# Altium PCB iMX6 Rex Development Baseboard V1I1_PCB.PcbDoc (part 5 of 6)
Units mm, origin at the board's own origin, x right, y up, seen from the top; angles counter-clockwise.
Board outline 135 x 110 mm, 6 copper layers (L1, L2, L3, L4 (PWR), L5, L6), stack 1.542 mm thick; 580 components, 458 nets, 2100 pads, 1201 vias.
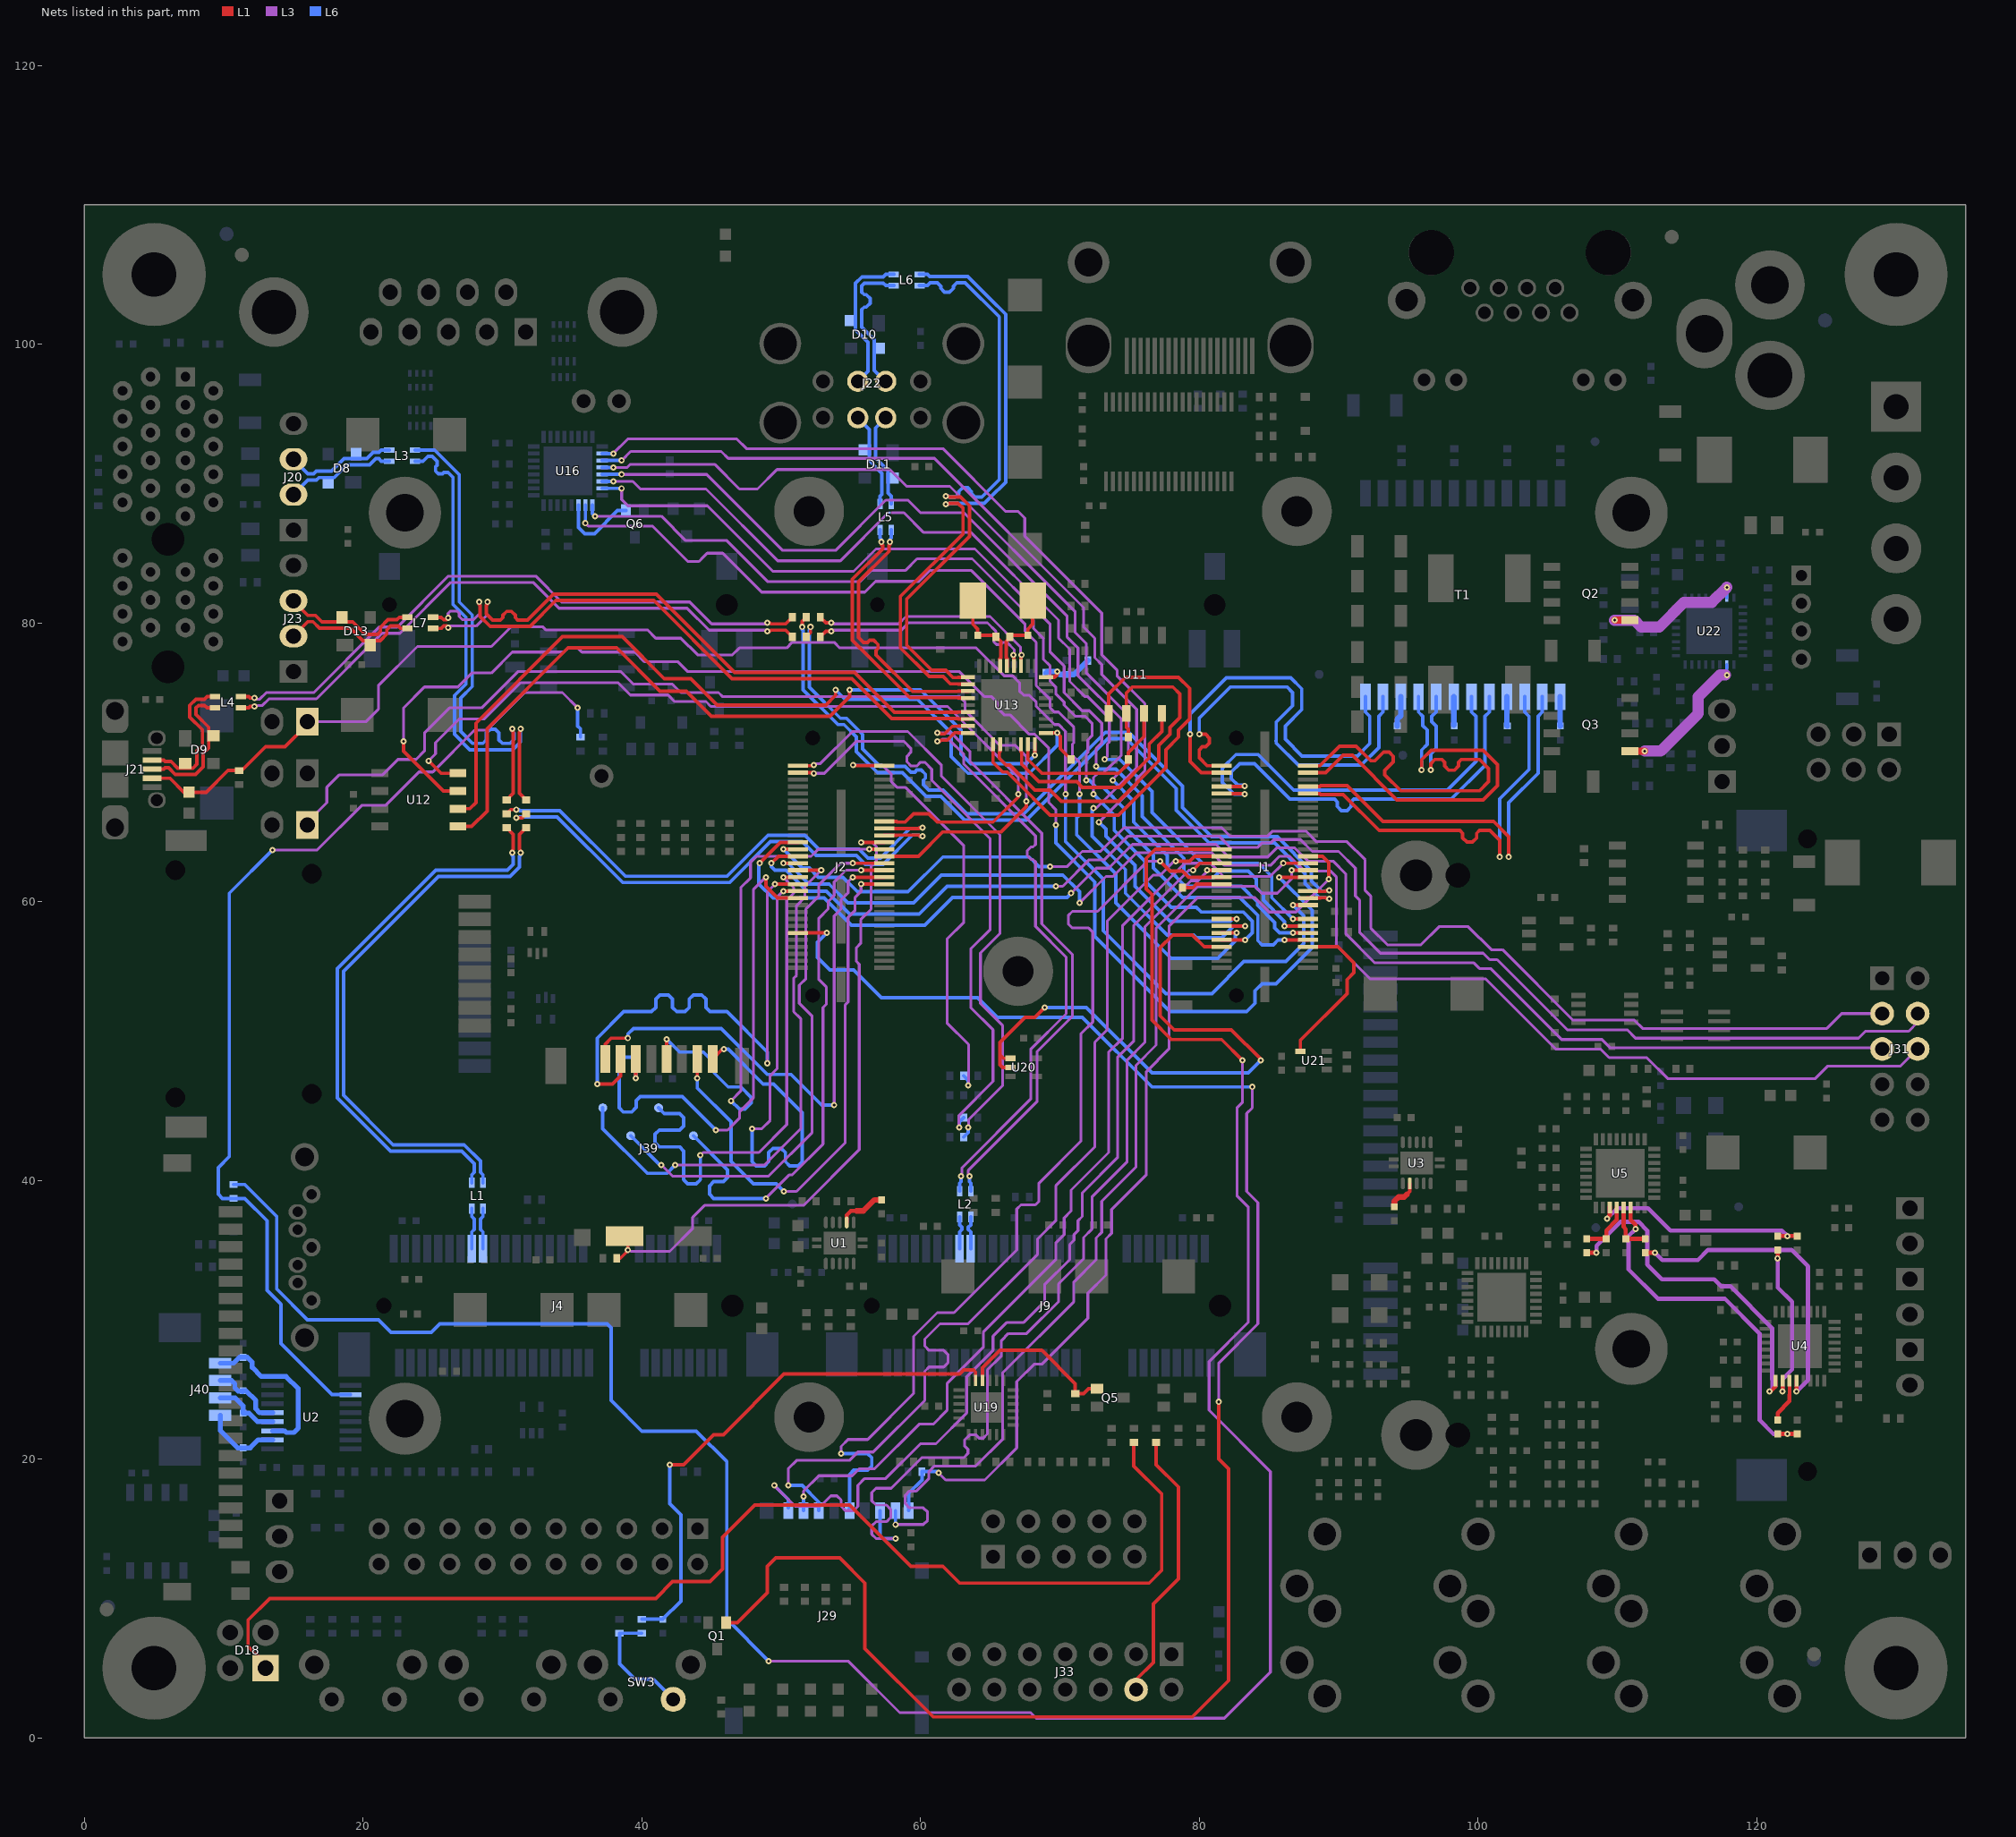
[diagram p9: the nets of this part, all layers, seen from the top]

## Via types
v1: diameter 0.45, hole 0.2, L1 to L6, tented both sides, 1092 vias
v2: diameter 1, hole 0.5, L1 to L6, tented both sides, 109 vias

## Nets (pads, with @x,y where several pads share a name; then routed paths per layer and width w, separated by ;. In a path a pad name is that pad's centre, name@x,y a point inside that pad or via, vN(x,y) a via of type N, cw(c..) or ccw(c..) an arc to the next point about the centre after c; other vN are vias at no path point) (continued)
SATA_RX_P: J2.60 R38.1 R39.1 | length 32.1
  L1 w0.25: v1(55.15,69.8) 55.2,69.75 J2.60@57.39,69.75
  L3 w0.2: v1(55.15,69.8) 57.24,69.8 57.9,69.14 57.9,68.6 58.3,68.2 58.9,68.2 63.1,64 63.1,58.51 61.9,57.31 61.9,51.29 63.45,49.74 63.45,46.825 v1(63.425,46.8)
  L6 w0.25: R38.1@63.1,47.5 63.425,47.175 v1(63.425,46.8)
SATA_TX_N: J2.57 R40.1 R41.1 | length 43.1
  L1 w0.25: J2.57@51.21,69.25 52.3,69.25 v1(52.35,69.2)
  L3 w0.2: v1(52.35,69.2) 53.1,69.2 55.403,71.503 58.797,71.503 59.3,71 59.3,70.7 59.025,70.425 59.025,70.025 59.325,69.725 59.725,69.725 60,70 60.3,70 60.8,69.5 60.8,68.7 65,64.5 65,58 63.6,56.6 63.6,52.4 65.2,50.8 65.2,47.1 62.75,44.65 62.75,43.825 v1(62.775,43.8)
  L6 w0.25: v1(62.775,43.8) 62.775,44.175 R40.1@63.1,44.5
SATA_TX_P: J2.59 R42.1 R43.1 | length 43.1
  L1 w0.25: J2.59@51.21,69.75 52.3,69.75 v1(52.35,69.8)
  L3 w0.2: v1(52.35,69.8) 52.45,69.9 52.81,69.9 55.113,72.203 59.087,72.203 61.5,69.79 61.5,68.99 65.7,64.79 65.7,57.71 64.3,56.31 64.3,52.69 65.9,51.09 65.9,46.81 63.45,44.36 63.45,43.825 v1(63.425,43.8)
  L6 w0.25: R42.1@63.1,43.1 63.425,43.425 v1(63.425,43.8)
SD2_ACT: J2.11 Q1.1 | length 131.3
  L1 w0.25: Q1.1@46.05,8.25 46.85,8.25 49,10.4 49,12.3 49.6,12.9 54.2,12.9 56,11.1 56,6.4 60.9,1.5 79.5,1.5 82.1,4.1 82.1,19.3 81.4,20 v1(81.4,24.1) ; J2.11@51.21,57.75 v1(53.27,57.75)
  L3 w0.2: v1(81.4,24.1) 81.4,26.9 84.2,29.7 84.2,38.4 83.4,39.2 83.4,44.8 83.8,45.2 v1(83.8,46.7)
  L6 w0.25: v1(53.27,57.75) 52.62,57.1 52.6,57.1 52.6,56 53.5,55.1 55.2,55.1 57.2,53.1 64.1,53.1 65.5,51.7 71.6,51.7 76.6,46.7 v1(83.8,46.7)
SD2_CD: J2.38 J39.9 R104.2 | length 47.3
  L1 w0.25: R104.2@38.2,34.4 38.458,34.4 38.94,34.882 v1@38.975,34.882 ; J39.9@38.775,36 38.975,35.8 39,35.775 v1(39,35) ; v1(55.73,64.25) J2.38@57.39,64.25
  L3 w0.2: v1@39.2,34.9 42,34.9 43.65,36.55 43.65,37.35 44.5,38.2 51.6,38.2 55.6,42.2 55.6,55.5 55.4,55.7 55.4,56.7 55.7,57 55.7,58.7 56.45,59.45 56.45,62.52 56.83,62.9 56.83,63.15 56.83,63.957 56.537,64.25 v1(55.73,64.25)
SD2_CLK: J2.36 J39.5 | length 39.6
  L1 w0.25: J39.5@41.775,48.7 v1(41.775,50.125) ; v1(56.33,63.75) J2.36@57.39,63.75
  L3 w0.2: v1(46.4,45.7) 47.1,46.4 47.1,61 47.8,61.7 47.8,62.807 48.243,63.25 52.15,63.25 52.65,63.75 v1(56.33,63.75)
  L6 w0.25: v1(41.775,50.125) 42.7,49.2 44.4,49.2 45.2,48.4 45.2,47.693 46.193,46.7 47.1,46.7 47.85,45.95 47.85,45.55 47.4,45.1 47,45.1 v1(46.4,45.7)
SD2_CMD: J2.21 J39.3 | length 39.6
  L1 w0.25: v1(39.575,47.325) J39.3@39.575,48.7 ; v1(48.9,61.75) 48.9,61.1 49.75,60.25 J2.21@51.21,60.25
  L3 w0.2: v1(45.3,43.6) 46.15,43.6 47,44.45 47,44.9 48,45.9 48,60.85 v1(48.9,61.75)
  L6 w0.25: v1(39.575,47.325) 39.575,48.525 39.275,48.825 38.675,48.825 38.375,48.525 38.375,45.2 38.675,44.9 39.275,44.9 39.6,45.225 39.6,45.725 39.875,46 42.9,46 v1(45.3,43.6)
SD2_DATA0: J2.26 J39.7 | length 39.6
  L1 w0.25: v1(43.975,47.325) J39.7@43.975,48.7 ; v1(55.73,61.25) J2.26@57.39,61.25
  L3 w0.2: v1(50.2,39.2) 51.1,39.2 54.6,42.7 54.6,52.6 54.8,52.8 54.8,58.87 55.3,59.37 55.3,60.3 55.73,60.73 v1(55.73,61.25)
  L6 w0.25: v1(43.975,47.325) 43.975,46.625 46.4,44.2 46.4,41.35 48,39.75 49.65,39.75 v1(50.2,39.2)
SD2_DATA1: J2.23 J39.8 | length 39.6
  L1 w0.25: J39.8@45.075,48.7 45.775,49.4 v1(45.9,49.4) ; v1(50.15,60.75) J2.23@51.21,60.75
  L3 w0.2: v1(47.9,43.7) 48.6,43.7 49.2,44.3 49.2,47.5 49.7,48 49.7,60.3 v1(50.15,60.75)
  L6 w0.25: v1(45.9,49.4) 46.2,49.4 48.7,46.9 49.45,46.9 51.5,44.85 51.5,41.334 51.2,41.034 50.6,41.034 50.3,41.334 50.3,41.984 50,42.284 49.4,42.284 49.1,41.984 49.1,41.334 48.8,41.034 48.2,41.034 47.9,41.334 v1(47.9,43.7)
SD2_DATA2: J2.28 J39.1 | length 39.6
  L1 w0.25: J39.1@37.375,48.7 37.375,49.775 37.8,50.2 v1(39,50.2) ; v1(55.13,61.75) J2.28@57.39,61.75
  L3 w0.2: v1(53.8,45.4) 53.8,58.97 54.3,59.47 54.3,60.131 54.8,60.631 54.8,61.42 v1(55.13,61.75)
  L6 w0.25: v1(39,50.2) 39,50.5 39.4,50.9 45.707,50.9 49.007,47.6 50.7,47.6 52.9,45.4 v1(53.8,45.4)
SD2_DATA3: J2.25 J39.2 | length 39.6
  L1 w0.25: v1(36.8,46.9) 37.9,46.9 38.475,47.475 J39.2@38.475,48.7 ; v1(49.55,61.25) J2.25@51.21,61.25
  L3 w0.2: v1(49,48.4) 49,60.7 v1(49.55,61.25)
  L6 w0.25: v1(36.8,46.9) 36.8,50.2 38.7,52.1 40.7,52.1 41,52.4 41,53 41.3,53.3 41.9,53.3 42.2,53 42.2,52.4 42.5,52.1 43.1,52.1 43.4,52.4 43.4,53 43.7,53.3 44.3,53.3 44.6,53 44.6,52.4 44.9,52.1 46.1,52.1 49,49.2 v1(49,48.4)
SD2_DATA4: J2.30 TP7.1 | length 39.6
  L1 w0.25: v1(55.73,62.25) J2.30@57.39,62.25
  L3 w0.2: v1(48.9,38.7) 50.6,40.4 50.8,40.4 53,42.6 53,52.4 53.25,52.65 53.25,53.85 52.7,54.4 52.7,58.8 53.37,59.47 53.37,60 53.8,60.43 53.8,61.4 54.65,62.25 v1(55.73,62.25)
  L6 w0.25: TP7.1@43.7,43.2 46.15,40.75 46.15,40.2 45.85,39.9 45.15,39.9 44.85,39.6 44.85,39 45.15,38.7 v1(48.9,38.7)
SD2_DATA5: J2.27 TP6.1 | length 39.6
  L1 w0.25: v1(50.15,61.75) J2.27@51.21,61.75
  L3 w0.2: v1(44.2,41.8) 44.4,42 48.4,42 50.4,44 50.4,60.1 50.9,60.6 50.9,61 v1(50.15,61.75)
  L6 w0.25: TP6.1@41.2,45.2 41.6,44.8 42.7,44.8 43,44.5 43,43.9 42.7,43.6 41.25,43.6 40.95,43.3 40.95,42.7 41.25,42.4 42.7,42.4 43,42.1 43,40.05 43.3,39.75 43.9,39.75 44.2,40.05 v1(44.2,41.8)
SD2_DATA6: J2.32 TP9.1 | length 39.6
  L1 w0.25: v1(55.13,62.75) J2.32@57.39,62.75
  L3 w0.2: v1(41.4,41.1) 42.2,40.3 49.1,40.3 52.2,43.4 52.2,51.8 51.3,52.7 51.3,54 51.77,54.47 51.77,59.47 52.7,60.4 52.7,61.2 54.25,62.75 v1(55.13,62.75)
  L6 w0.25: TP9.1@39.2,43.2 41.3,41.1 v1(41.4,41.1)
SD2_DATA7: J2.29 TP8.1 | length 39.6
  L1 w0.25: J2.29@51.21,62.25 v1(52.87,62.25)
  L3 w0.2: v1(42.4,41.1) 48.8,41.1 51.4,43.7 51.4,51.6 50.9,52.1 50.9,54.5 51.1,54.7 51.1,59.7 51.7,60.3 51.7,61.08 v1(52.87,62.25)
  L6 w0.25: TP8.1@37.2,45.2 37.2,43.7 40.4,40.5 41.8,40.5 v1(42.4,41.1)
SD2_WP: J2.34 JP3.1 | length 75.8
  L1 w0.25: J2.34@57.39,63.25 59.85,63.25 61.6,65 65.8,65 67.6,66.8 v1(67.6,67.2)
  L3 w0.2: JP3.1@16,65.5 16,65.7 17.4,67.1 17.4,68.2 18.3,69.1 21.399,69.1 22.499,70.2 23.8,70.2 24.4,70.8 24.4,72.1 26.2,73.9 28.5,73.9 31.1,76.5 38.5,76.5 39.4,75.6 42.2,75.6 42.8,75 45.5,75 45.8,74.7 62.8,74.7 63.2,74.3 63.2,73.693 65.693,71.2 66.8,71.2 67.6,70.4 v1(67.6,67.2)
SD3_CD: J1.34 J29.9 R106.2 | length 70.1
  L1 w0.25: J1.34@87.79,63.25 88.85,63.25 89.3,62.8 v1(89.3,61.6)
  L3 w0.2: v1(61.3,19) 61.8,18.5 64.6,18.5 66.9,20.8 66.9,25.557 68.143,26.8 68.707,26.8 72,30.093 72,31.9 73.3,33.2 73.3,35.8 73.704,36.204 73.704,37.904 76.2,40.4 76.2,47.8 77.825,49.425 77.825,58.232 79.893,60.3 83.95,60.3 85,59.25 86.937,59.25 v1@89.3,61.613
  L6 w0.25: J29.9@59.15,16.3 59.15,17.55 60.1,18.5 R106.2@60.1,19.1 61.2,19.1 v1(61.3,19)
SD3_CLK: J1.27 J29.5 | length 70.1
  L1 w0.25: v1(77.2,62.9) 77.9,62.2 78.8,62.2 79.25,61.75 J1.27@81.61,61.75
  L3 w0.2: v1(54.3,20.4) 54.3,20.9 54.8,21.4 56.2,21.4 59.5,24.7 59.5,28.8 61.2,30.5 62.4,30.5 66.9,35 66.9,37.94 67.2,38.24 68.24,38.24 68.5,38.5 68.5,39.8 71.5,42.8 71.5,50.5 72.36,51.36 72.36,57.8 72.06,58.1 70.9,58.1 70.6,58.4 70.6,59 70.9,59.3 72.7,59.3 76.3,62.9 v1(77.2,62.9)
  L6 w0.25: v1(54.3,20.4) 56.2,20.4 56.5,20.1 56.5,19.5 56.2,19.2 55.2,19.2 54.9,18.9 J29.5@54.9,16.3
SD3_CMD: J1.33 J29.3 | length 70.1
  L1 w0.25: v1(78.3,62.9) 79.3,62.9 79.65,63.25 J1.33@81.61,63.25
  L3 w0.2: v1(50.5,18.1) 50.5,19.3 51.1,19.9 54.9,19.9 55.5,20.5 56.6,20.5 60.3,24.2 60.3,26.3 60.6,26.6 61.66,26.6 61.96,26.9 61.96,27.5 61.66,27.8 60.6,27.8 60.3,28.1 60.3,28.607 61.393,29.7 63.4,29.7 68.4,34.7 68.4,35.8 69.7,37.1 69.7,39.6 72.5,42.4 72.5,49.9 73.4,50.8 73.4,58.607 76.693,61.9 77.2,61.9 78.2,62.9 v1(78.3,62.9)
  L6 w0.25: v1(50.5,18.1) 51.507,18.1 52.7,16.907 J29.3@52.7,16.3
SD3_DATA0: J1.29 J29.7 | length 70.1
  L1 w0.25: v1(80.55,62.25) J1.29@81.61,62.25
  L3 w0.2: v1(58.2,14.3) 56.8,14.3 56.5,14.6 56.5,15.2 56.8,15.5 57.55,15.5 57.85,15.8 57.85,16.4 57.55,16.7 56.8,16.7 56.5,17 56.5,17.6 56.8,17.9 57.893,17.9 60.093,20.1 63.1,20.1 63.4,20.4 63.4,20.7 63.15,20.95 63.15,21.35 63.55,21.75 63.95,21.75 64.2,21.5 64.5,21.5 64.8,21.8 64.8,26.4 65.8,27.4 65.8,28.507 66.293,29 67.607,29 69.9,31.293 69.9,32.569 71.7,34.369 71.7,35.9 72.3,36.5 72.3,38.8 74.8,41.3 74.8,48.6 76.1,49.9 76.1,58.2 79.4,61.5 79.9,61.5 80.55,62.15 v1(80.55,62.25)
  L6 w0.25: J29.7@57.1,16.3 57.1,15 57.1,14.5 57.3,14.3 v1(58.2,14.3)
SD3_DATA1: J1.30 J29.8 | length 70.1
  L1 w0.25: v1(86.62,62.25) J1.30@87.79,62.25
  L3 w0.2: v1(58.2,15.3) 60.2,15.3 60.5,15.6 60.5,16.2 60.2,16.5 59.2,16.5 58.9,16.8 58.9,17.4 59.2,17.7 59.7,17.7 60.6,18.6 60.6,19.1 61,19.5 63.966,19.5 65.9,21.434 65.9,26.2 71,31.3 71,32.7 72.6,34.3 72.6,35.862 73,36.262 73,38.5 75.45,40.95 75.45,48.25 76.9,49.7 76.9,58.1 79.9,61.1 83.975,61.1 84.475,60.6 85.6,60.6 86.62,61.62 v1(86.62,62.25)
  L6 w0.25: v1(58.2,15.3) J29.8@58.2,16.3
SD3_DATA2: J1.31 J29.1 | length 70.1
  L1 w0.25: v1(79.55,62.25) 80.05,62.75 J1.31@81.61,62.75
  L3 w0.2: v1(49.5,18.1) 51,16.6 52.8,16.6 53.56,17.36 54,17.36 54.3,17.06 54.3,16.6 54.6,16.3 55.2,16.3 55.5,16.6 55.5,18.107 55.993,18.6 57.5,18.6 60,21.1 61.1,21.1 63.3,23.3 63.3,25.9 65.2,27.8 65.2,28.807 66.2,29.807 67.407,29.807 68.9,31.3 68.9,32.507 70.7,34.307 70.7,35.393 71.007,35.7 71.007,36.1 71.3,36.393 71.3,37.1 71.6,37.4 71.6,39.1 74.15,41.65 74.15,48.85 75.3,50 75.3,58.3 79.25,62.25 v1(79.55,62.25)
  L6 w0.25: v1(49.5,18.1) 50.5,17.1 J29.1@50.5,16.5
SD3_DATA3: J1.32 J29.2 | length 70
  L1 w0.25: v1(86.03,62.75) J1.32@87.79,62.75
  L3 w0.2: v1(51.6,17.3) 51.6,17.7 52.7,18.8 55.1,18.8 55.6,19.3 56.693,19.3 59.893,22.5 60.907,22.5 61.9,23.493 61.9,25.407 64.5,28.007 64.5,29.1 69.7,34.3 69.7,35.5 70.3,36.1 70.3,37.3 70.8,37.8 70.8,39.3 73.5,42 73.5,49.2 74.5,50.2 74.5,58.293 78.957,62.75 80.8,62.75 81.75,61.8 85.073,61.8 86.023,62.75 v1(86.03,62.75)
  L6 w0.25: J29.2@51.6,16.3 v1(51.6,17.3)
SD3_WP: J1.25 R105.2 | length 2.9
  L1 w0.25: R105.2@78.8,61 79.55,61 79.8,61.25 J1.25@81.61,61.25
SPKR_C_LOUT+: C52.2 U4.3 | length 3.2
  L1 w0.25: 122.35,24.608 U4.3@122.35,25.625
  L1 w0.3: C52.2@121.5,22.8 121.5,23.3 122.35,24.15 122.35,24.608
SPKR_C_LOUT-: C47.2 U4.4 | length 22.8
  L1 w0.28: v1(122.85,24.85) U4.4@122.85,25.625
  L1 w0.3: C47.2@112,34.8 v1(112.7,34.8)
  L3 w0.3: v1(112.7,34.8) 113.225,34.275 115.775,34.275 116.5,35 122.5,35 123.675,33.825 123.675,25.675 v1(122.85,24.85)
SPKR_C_ROUT+: C56.2 U4.2 | length 11.6
  L1 w0.28: v1(121.85,24.85) U4.2@121.85,25.625
  L1 w0.3: v1(121.5,34.4) C56.2@121.5,35
  L3 w0.3: v1(121.5,34.4) 121.5,32.3 122.525,31.275 122.525,26.425 121.85,25.75 v1(121.85,24.85)
SPKR_C_ROUT-: C55.2 U4.1 | length 24.8
  L1 w0.28: v1(120.9,24.85) 121,24.85 121.35,25.2 U4.1@121.35,25.625
  L1 w0.3: C55.2@107.8,34.8 v1(108.5,34.8)
  L3 w0.28: v1(120.9,24.85) 121.1,25.05 121.1,25.7
  L3 w0.3: v1(108.5,34.8) 108.5,35.3 110.225,37.025 111.517,37.025 112.142,36.4 112.142,33.958 113.2,32.9 116.942,32.9 117.442,32.4 118.1,32.4 121.1,29.4 121.1,25.7
SPKR_LOUT+: C52.1 C210.1 U5.22 | length 26.1
  L1 w0.3: U5.22@110.95,38.05 110.95,37.15 111.3,36.8 v1(111.3,36.5) ; C52.1@121.5,21.8 v1(122.2,21.8) C210.1@122.9,21.8
  L3 w0.3: v1(111.3,36.5) 110.8,36 110.8,33.6 112.9,31.5 117.7,31.5 120.2,29 120.2,22.8 121.2,21.8 v1(122.2,21.8)
SPKR_LOUT-: C47.1 C209.2 U5.21 | length 3.7
  L1 w0.3: U5.21@110.45,38.05 110.45,36.65 110.6,36.5 C209.2@110.6,35.8 C47.1@112,35.8
SPKR_ROUT+: C56.1 C212.1 U5.19 | length 16.4
  L1 w0.3: v1(109.25,37.25) 109.45,37.45 U5.19@109.45,38.05 ; C56.1@121.5,36 v1(122.2,36) C212.1@122.9,36
  L3 w0.3: v1(109.25,37.25) 110,38 112.2,38 113.8,36.4 121.8,36.4 v1(122.2,36)
SPKR_ROUT-: C55.1 C211.2 U5.20 | length 4
  L1 w0.3: C55.1@107.8,35.8 C211.2@109.2,35.8 109.2,36.4 109.95,37.15 U5.20@109.95,38.05
SS_+1V5: C21.1 U1.7 | length 3.5
  L1 w0.28: U1.7@54.7,36.975 54.7,37.5 55,37.8 55.4,37.8
  L1 w0.4: 55.4,37.8 55.9,37.8 56.7,38.6 C21.1@57.2,38.6
SS_+1V8_AUDIO2: C36.1 U3.7 | length 2.2
  L1 w0.283: 95,39.1 95.1,39.2 U3.7@95.1,39.775
  L1 w0.4: C36.1@94,38.1 94,38.5 94.3,38.8 94.7,38.8 94.9,39
SYS_POKN: J1.8 U21.4 | length 11.7
  L1 w0.25: U21.4@87.25,49.25 87.25,50.05 90.6,53.4 90.6,54.4 91.1,54.9 91.1,55.6 89.95,56.75 89.1,56.75 J1.8@87.79,56.75
SYS_RSTN: J1.7 U20.1 U20.2 | length 43.9
  L1 w0.25: U20.2@66.45,48.1 65.9,48.1 65.7,48.3 65.7,49 ; U20.1@66.45,48.75 65.95,48.75 65.7,49 ; v1(68.9,52.4) 68.2,51.7 67.5,51.7 65.7,49.9 65.7,49 ; J1.7@81.61,56.75 80.35,56.75 79.5,57.6 78.1,57.6 77.2,56.7 77.2,51.8 78.2,50.8 82.3,50.8 v1@84.4,48.7
  L6 w0.25: v1(68.9,52.4) 71.9,52.4 76.6,47.7 83.5,47.7 v1(84.4,48.6)
TCT0: C118.2 T1.10 | length 2.2
  L6 w0.4: C118.2@94.2,72.6 94.2,73.073 94.455,73.328 T1.10@94.455,74.697
TCT1: C116.2 T1.4 | length 2.1
  L6 w0.4: T1.4@102.075,74.697 102.075,72.625 C116.2@102.1,72.6
TCT2: C117.2 T1.7 | length 2
  L6 w0.4: C117.2@98.265,72.665 T1.7@98.265,74.697
TCT3: C114.2 T1.1 | length 2.1
  L6 w0.4: T1.1@105.885,74.697 105.885,72.615 C114.2@105.9,72.6
TRD0_N: J1.57 T1.12 | length 29.9
  L1 w0.25: v1(79.35,72) 79.35,70.05 80.15,69.25 J1.57@81.61,69.25
  L6 w0.25: v1(79.35,72) 79.35,73.45 81.95,76.05 86.569,76.05 87.35,75.269 87.35,73.781 86.169,72.6 86.169,71.65 87.369,70.45 91.35,70.45 92.225,71.325 92.225,73.29 91.915,73.6 T1.12@91.915,74.697
TRD0_P: J1.59 T1.11 | length 29.9
  L1 w0.25: v1(80,72) 80.45,72 80.725,71.725 80.725,71.375 80.45,71.1 80.2,71.1 80,70.9 80,70.319 80.569,69.75 J1.59@81.61,69.75
  L6 w0.25: v1(80,72) 80,73.181 82.219,75.4 86.3,75.4 86.7,75 86.7,74.05 85.519,72.869 85.519,71.512 ; 85.5,71.531 85.519,71.512 ; T1.11@93.185,74.697 93.185,73.6 92.875,73.29 92.875,71.056 91.619,69.8 87.1,69.8 85.519,71.381 85.519,71.512
TRD1_N: J1.51 T1.6 | length 29.9
  L1 w0.25: J1.51@81.61,67.75 83.2,67.75 v1(83.25,67.7)
  L6 w0.25: v1(83.25,67.7) 82.5,67.7 81.65,68.55 81.65,69.569 82.631,70.55 84.223,70.55 86.773,68 97.8,68 99.845,70.045 99.845,73.29 99.535,73.6 T1.6@99.535,74.697
TRD1_P: J1.53 T1.5 | length 29.9
  L1 w0.25: J1.53@81.61,68.25 83.2,68.25 v1(83.25,68.3)
  L6 w0.25: v1(83.25,68.3) 83.2,68.35 82.769,68.35 82.3,68.819 82.3,69.3 82.9,69.9 83.954,69.9 86.504,67.35 89.7,67.35 89.9,67.15 89.9,66.825 90.2,66.525 90.6,66.525 90.9,66.825 90.9,67.15 91.1,67.35 98.069,67.35 100.495,69.776 100.495,73.29 100.805,73.6 T1.5@100.805,74.697
TRD2_N: J1.58 T1.9 | length 29.9
  L1 w0.25: J1.58@87.79,69.25 89.069,69.25 90.319,70.5 90.981,70.5 94.181,67.3 100.369,67.3 101.4,68.331 101.4,69.819 100.37,70.85 96.631,70.85 95.95,70.169 v1(95.95,69.45)
  L6 w0.25: T1.9@95.725,74.697 95.725,73.6 96.035,73.29 96.035,72.631 96.35,72.316 96.35,71.269 95.95,70.869 v1(95.95,69.45)
TRD2_P: J1.60 T1.8 | length 29.9
  L1 w0.25: J1.60@87.79,69.75 88.65,69.75 90.05,71.15 91.25,71.15 92.3,70.1 92.6,70.1 93.225,70.725 93.625,70.725 93.925,70.425 93.925,70.025 93.3,69.4 93.3,69.1 94.45,67.95 100.1,67.95 100.75,68.6 100.75,69.55 100.1,70.2 98.8,70.2 98.6,70 98.6,69.725 98.3,69.425 97.9,69.425 97.6,69.725 97.6,70 97.4,70.2 96.9,70.2 96.6,69.9 v1(96.6,69.45)
  L6 w0.25: v1(96.6,69.45) 96.6,70.6 97,71 97,72.585 96.685,72.9 96.685,73.29 96.995,73.6 T1.8@96.995,74.697
TRD3_N: J1.52 T1.3 | length 29.9
  L1 w0.25: J1.52@87.79,67.75 88.65,67.75 88.725,67.675 90.325,67.675 92.9,65.1 98.7,65.1 98.9,64.9 98.9,64.575 99.2,64.275 99.6,64.275 99.9,64.575 99.9,64.9 100.1,65.1 100.85,65.1 101.55,64.4 v1(101.55,63.2)
  L6 w0.25: v1(101.55,63.2) 101.55,67.369 103.655,69.474 103.655,73.29 103.345,73.6 T1.3@103.345,74.697
TRD3_P: J1.54 T1.2 | length 29.9
  L1 w0.25: J1.54@87.79,68.25 88.65,68.25 88.725,68.325 90.594,68.325 93.169,65.75 101.119,65.75 102.2,64.669 v1(102.2,63.2)
  L6 w0.25: v1(102.2,63.2) 102.2,67.1 104.305,69.205 104.305,73.29 104.615,73.6 T1.2@104.615,74.697
TS_X+: C153.1 J40.4 U2.3 | length 11.8
  L6 w0.35: J40.4@9.75,26.875 10.7,26.875 11.125,27.3 C153.1@11.4,27.3 11.7,27.3 12.049,26.951 12.049,26.574 12.697,25.925 14.475,25.925 15.35,25.05 15.35,22.222 15.028,21.9 14.5,21.9 14.375,22.025 U2.3@13.5,22.025
TS_X-: C155.1 J40.3 U2.5 | length 5.2
  L6 w0.35: J40.3@9.75,25.625 10.575,25.625 10.8,25.4 10.8,25.1 11.025,24.875 11.325,24.875 C155.1@11.35,24.85 ; C155.1@11.4,24.9 11.6,24.9 12.3,24.2 12.3,23.6 12.575,23.325 U2.5@13.5,23.325
TS_Y+: C152.1 J40.1 U2.2 | length 5.6
  L6 w0.35: J40.1@9.75,23.125 9.75,22.05 11,20.8 C152.1@11.4,20.8 11.9,20.8 12.475,21.375 U2.2@13.5,21.375
TS_Y-: C154.1 J40.2 U2.4 | length 4.7
  L6 w0.35: J40.2@9.75,24.375 10.825,24.375 11.4,23.8 C154.1@11.4,23.3 11.8,23.3 12.425,22.675 U2.4@13.5,22.675
TSC_INT: J1.35 R174.1 | length 177.4
  L1 w0.25: J1.35@81.61,63.75 76.85,63.75 76.2,63.1 76.2,60.9 76.6,60.5 76.6,51.5 78,50.1 81.6,50.1 v1(83.1,48.6)
  L3 w0.2: v1(49.1,5.5) 54.8,5.5 58.5,1.8 67.9,1.8 68.3,1.4 81.8,1.4 85.1,4.7 85.1,19.1 80.7,23.5 80.7,26.993 83.5,29.793 83.5,38.1 82.7,38.9 82.7,45.2 83.1,45.6 v1(83.1,48.6)
  L6 w0.25: R174.1@10.7,39.7 11.5,39.7 13.8,37.4 13.8,32.2 16,30 21.1,30 22,29.1 24.9,29.1 25.5,29.7 37.5,29.7 37.8,29.4 37.8,24.2 40,22 43.9,22 46.1,19.8 46.1,8.5 v1(49.1,5.5)
TSC_PENIRQ: R173.1 R174.2 U2.10 | length 75.6
  L3 w0.2: v1(13.5,63.7) 16.7,63.7 19.9,66.9 21.6,66.9 24,69.3 25,69.3 28,72.3 28.9,72.3 31.6,75 34.3,75 v1(35.4,73.9)
  L6 w0.25: v1(13.5,63.7) 10.4,60.6 10.4,41.7 9.6,40.9 9.6,39 9.9,38.7 R174.2@10.7,38.7 11.5,38.7 13.1,37.1 13.1,32.1 14.1,31.1 14.1,28.3 17.775,24.625 U2.10@19.1,24.625 ; v1(35.4,73.9) 35.4,72.6 35.6,72.4 R173.1@35.6,71.8
UART1_CTS: J1.11 U16.18 | length 73
  L1 w0.25: J1.11@81.61,57.75 v1(82.67,57.75)
  L3 w0.2: v1(35.95,87.15) 36.15,86.95 40.75,86.95 43.3,84.4 44.1,84.4 44.4,84.7 44.4,84.707 44.693,85 45.8,85 48.6,82.2 56,82.2 56.775,82.975 59.875,82.975 60.65,83.75 63.65,83.75 67.5,79.9 67.5,79.4 68.3,78.6 68.3,75.5 69.3,74.5 69.3,73.893 69.593,73.6 69.9,73.6 71,72.5 71,71.407 70.9,71.307 70.9,70.5 71.4,70 v1(71.4,67.7)
  L6 w0.25: v1(35.95,87.15) U16.18@35.95,88.45 ; v1@71.4,67.5 71.4,66.2 71.2,66 71.2,64.8 74,62 74,59.9 77.975,55.925 81.325,55.925 82.58,57.18 82.58,57.66 v1(82.67,57.75)
UART1_DCD: J1.16 U16.14 | length 72.6
  L1 w0.25: v1(86.73,58.75) J1.16@87.79,58.75
  L3 w0.2: v1(37.95,90.15) 39.35,90.15 39.9,89.6 44.6,89.6 49.75,84.45 54.243,84.45 57.693,87.9 58.8,87.9 60.2,86.5 63.6,86.5 69.9,80.2 69.9,78.907 70.7,78.107 70.7,75.804 71.804,74.7 72.007,74.7 73.546,73.161 73.546,71.454 73.4,71.307 73.4,70.4 v1(73.2,70.2)
  L6 w0.25: U16.14@37.15,90.15 v1(37.95,90.15) ; v1(73.2,70.2) 74.3,70.2 76.6,67.9 76.6,66.4 80.25,62.75 84.25,62.75 85.2,61.8 85.2,60.28 v1(86.73,58.75)
UART1_DSR: J1.9 U16.13 | length 75.9
  L1 w0.25: J1.9@81.61,57.25 v1(83.28,57.25)
  L3 w0.2: v1(38.55,90.65) 44.66,90.65 50.11,85.2 53.9,85.2 57.5,88.8 59.1,88.8 60,87.9 63.1,87.9 70.5,80.5 70.5,79 71.3,78.2 71.3,76.2 74.4,73.1 74.4,70.5 73.1,69.2 72.7,69.2 72.4,68.9 v1(72.4,67.7)
  L6 w0.25: U16.13@37.15,90.65 v1(38.55,90.65) ; v1(72.4,67.7) 73.9,66.2 73.9,65.1 76.1,62.9 76.1,61.493 77.996,59.596 79.289,59.596 79.293,59.6 79.793,59.6 80.143,59.25 83.15,59.25 83.8,58.6 83.8,57.77 v1(83.28,57.25)
UART1_DTR: J1.15 U16.10 | length 75
  L1 w0.25: J1.15@81.61,58.75 v1(82.67,58.75)
  L3 w0.2: v1(37.95,92.15) 39,93.2 46.807,93.2 47.507,92.5 61.6,92.5 66.1,88 67,88 67,87.996 67.475,87.521 67.475,86.225 73,80.7 73,77.707 74.1,76.607 74.1,76.2 76.1,74.2 76.1,69.4 75.5,68.8 75.5,68.4 v1(72.8,65.7)
  L6 w0.25: U16.10@37.15,92.15 v1(37.95,92.15) ; v1(72.8,65.7) 73.3,65.2 73.3,64.7 75.4,62.6 75.4,61.1 77.9,58.6 82.241,58.6 82.391,58.75 v1(82.67,58.75)
UART1_RI: J1.10 U16.17 | length 73.9
  L1 w0.25: v1(86.12,57.25) J1.10@87.79,57.25
  L3 w0.2: v1(36.65,87.65) 41.4,87.65 43.15,85.9 46.1,85.9 49.05,82.95 55.65,82.95 56.45,83.75 58.9,83.75 59.75,84.6 63.7,84.6 68.1,80.2 68.1,79.593 68.8,78.893 68.8,77.4 69.3,76.9 69.3,75.8 69.7,75.4 69.7,74.907 70.3,74.307 70.3,74.1 71.1,73.3 71.807,73.3 72.3,72.807 72.3,71.893 72,71.593 72,70.7 71.9,70.6 v1(71.9,68.7)
  L6 w0.25: U16.17@36.45,88.45 36.45,87.85 v1(36.65,87.65) ; v1(71.9,68.7) 72.107,68.7 72.607,68.2 73.1,68.2 74.6,66.7 74.6,65.4 76.7,63.3 76.7,62.4 78.8,60.3 82.9,60.3 84.2,59 84.2,57.193 84.493,56.9 85.3,56.9 85.65,57.25 v1(86.12,57.25)